# Altium PCB Brake Module R6.PcbDoc (part 1 of 2)
Units mm, origin at the board's own origin, x right, y up, seen from the top; angles counter-clockwise.
Board outline 73.35 x 121.64 mm, 4 copper layers (Top Layer, GND, PWR, Bottom Layer), stack 0.603 mm thick; 136 components, 96 nets, 515 pads, 328 vias.
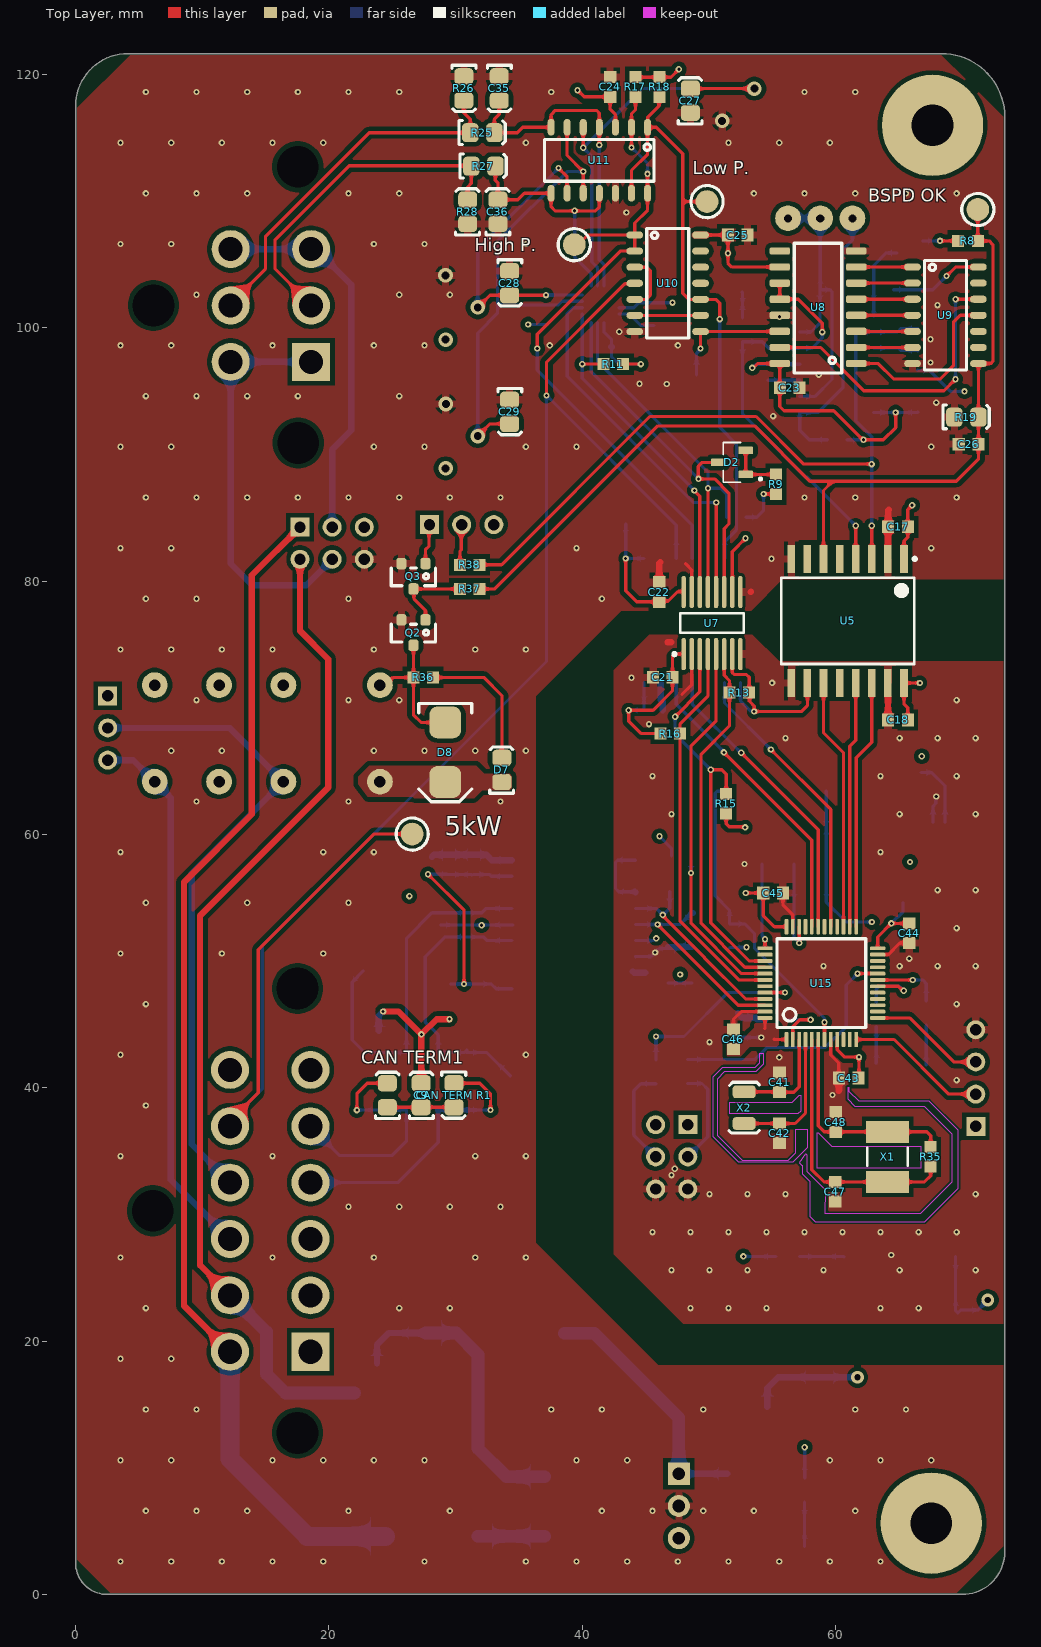
[diagram p0: Top Layer view]
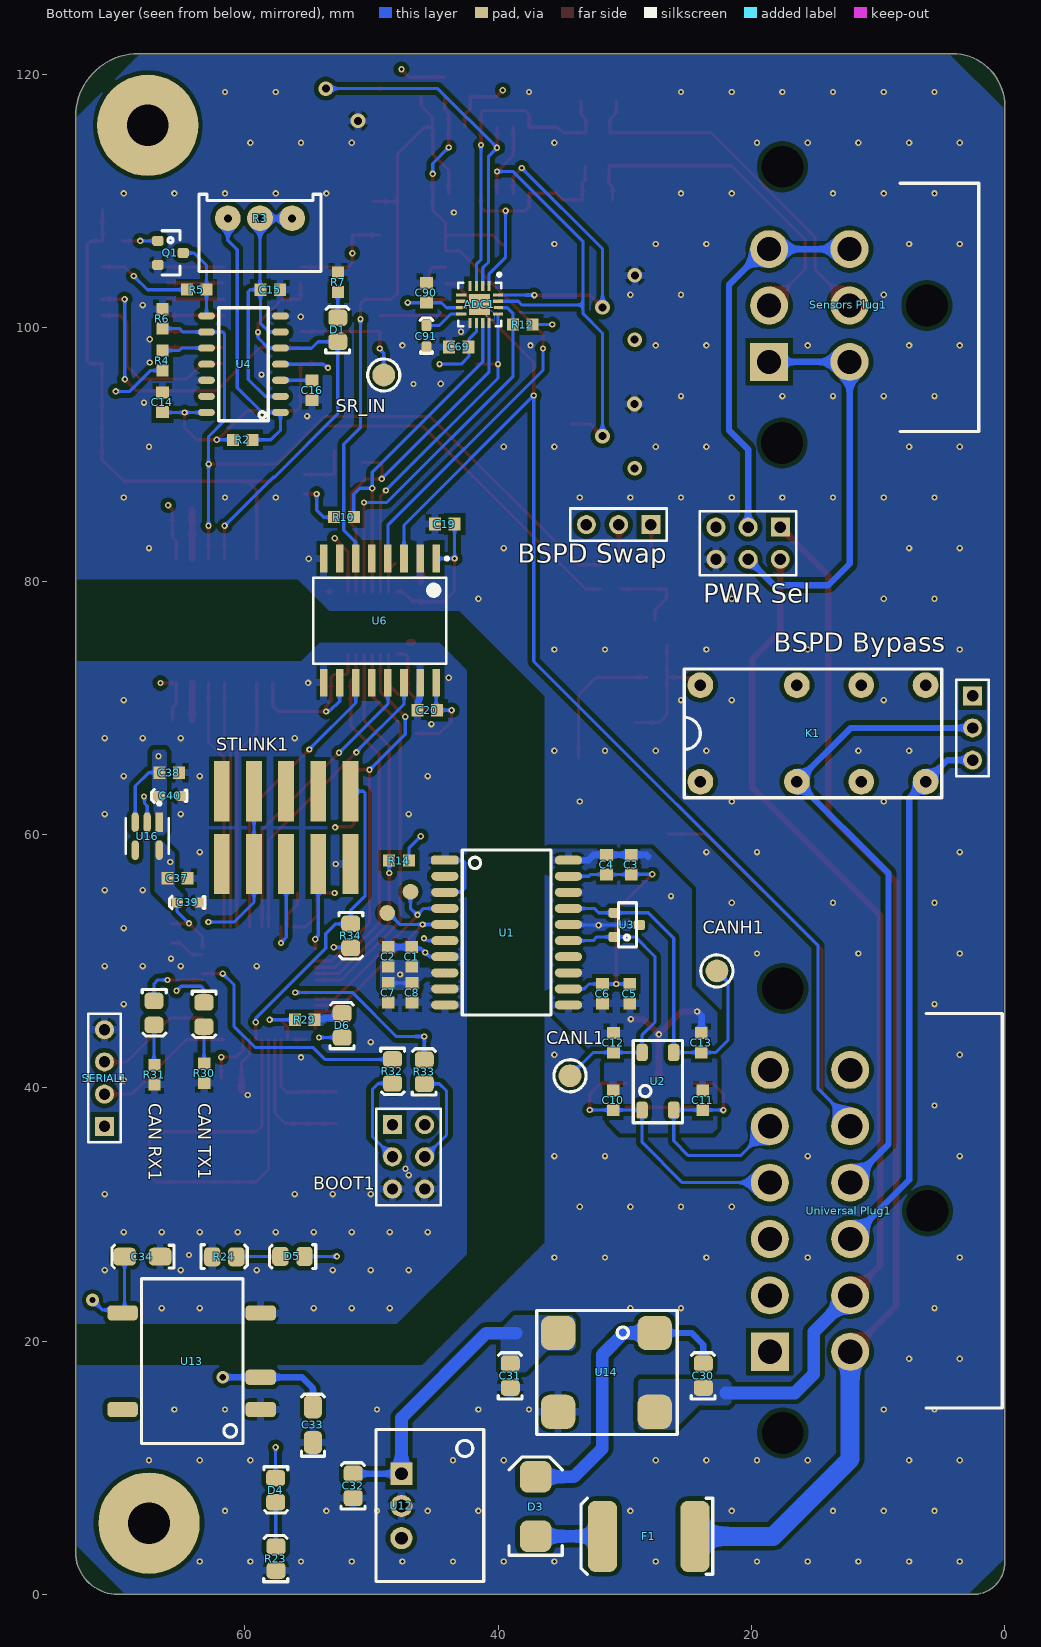
[diagram p1: Bottom Layer view, seen from below]
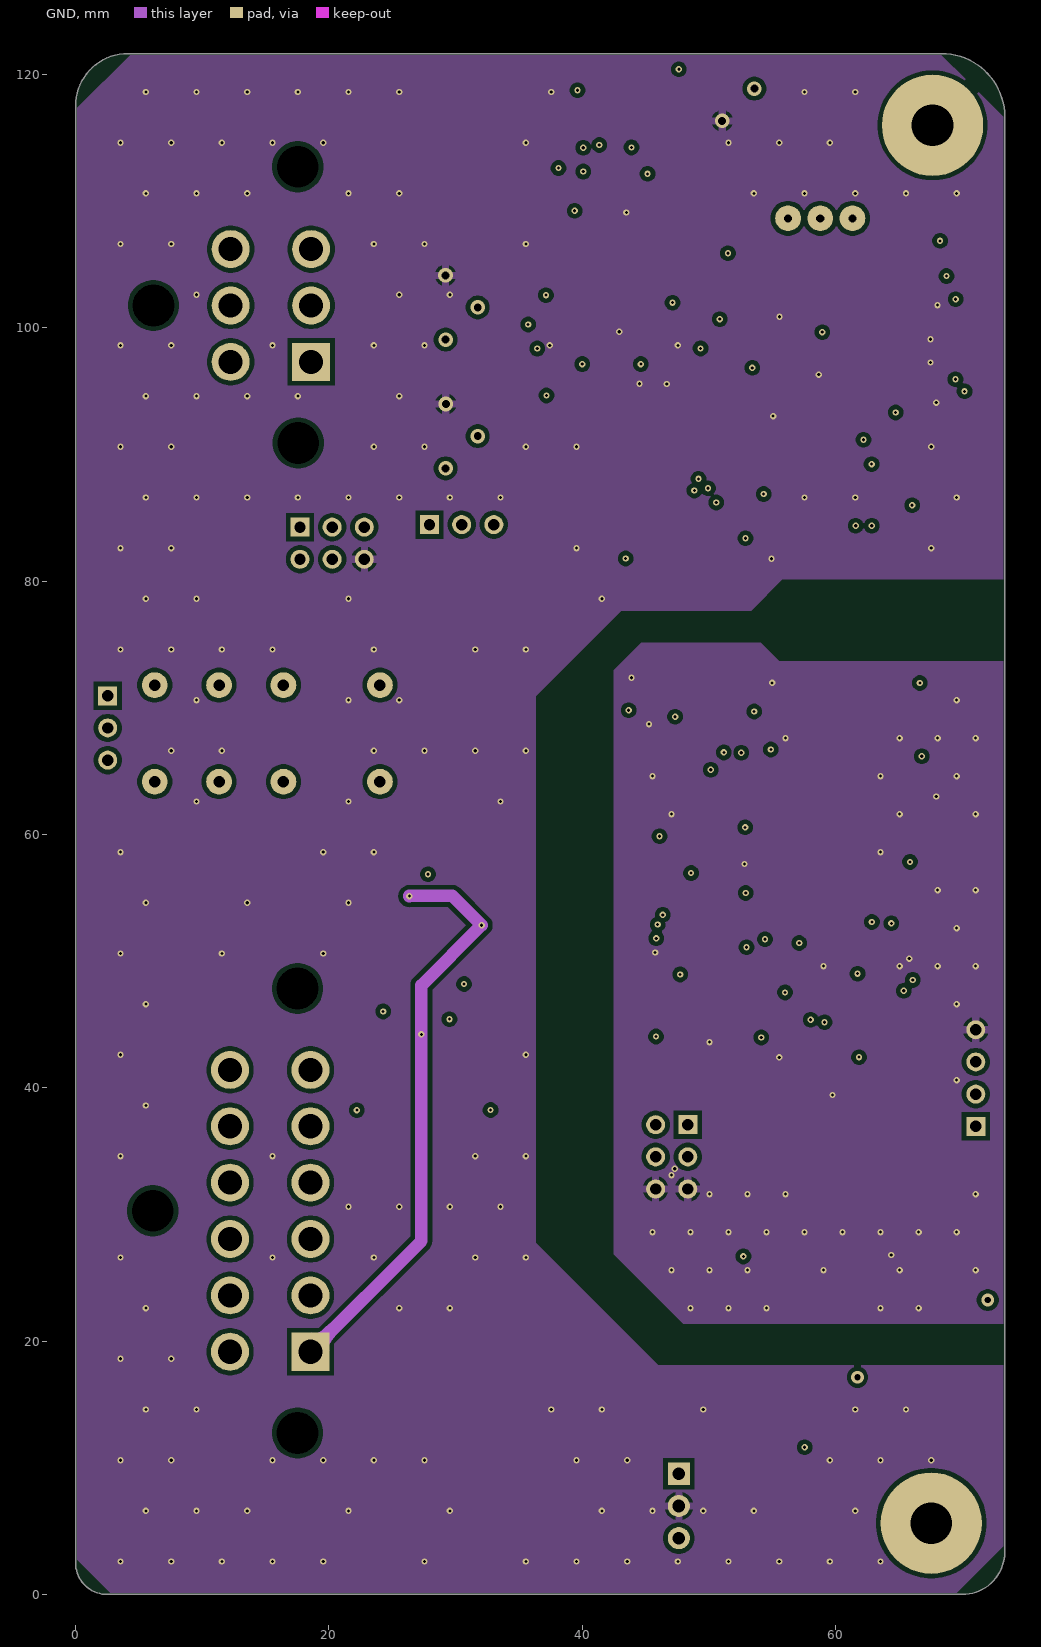
[diagram p2: GND]
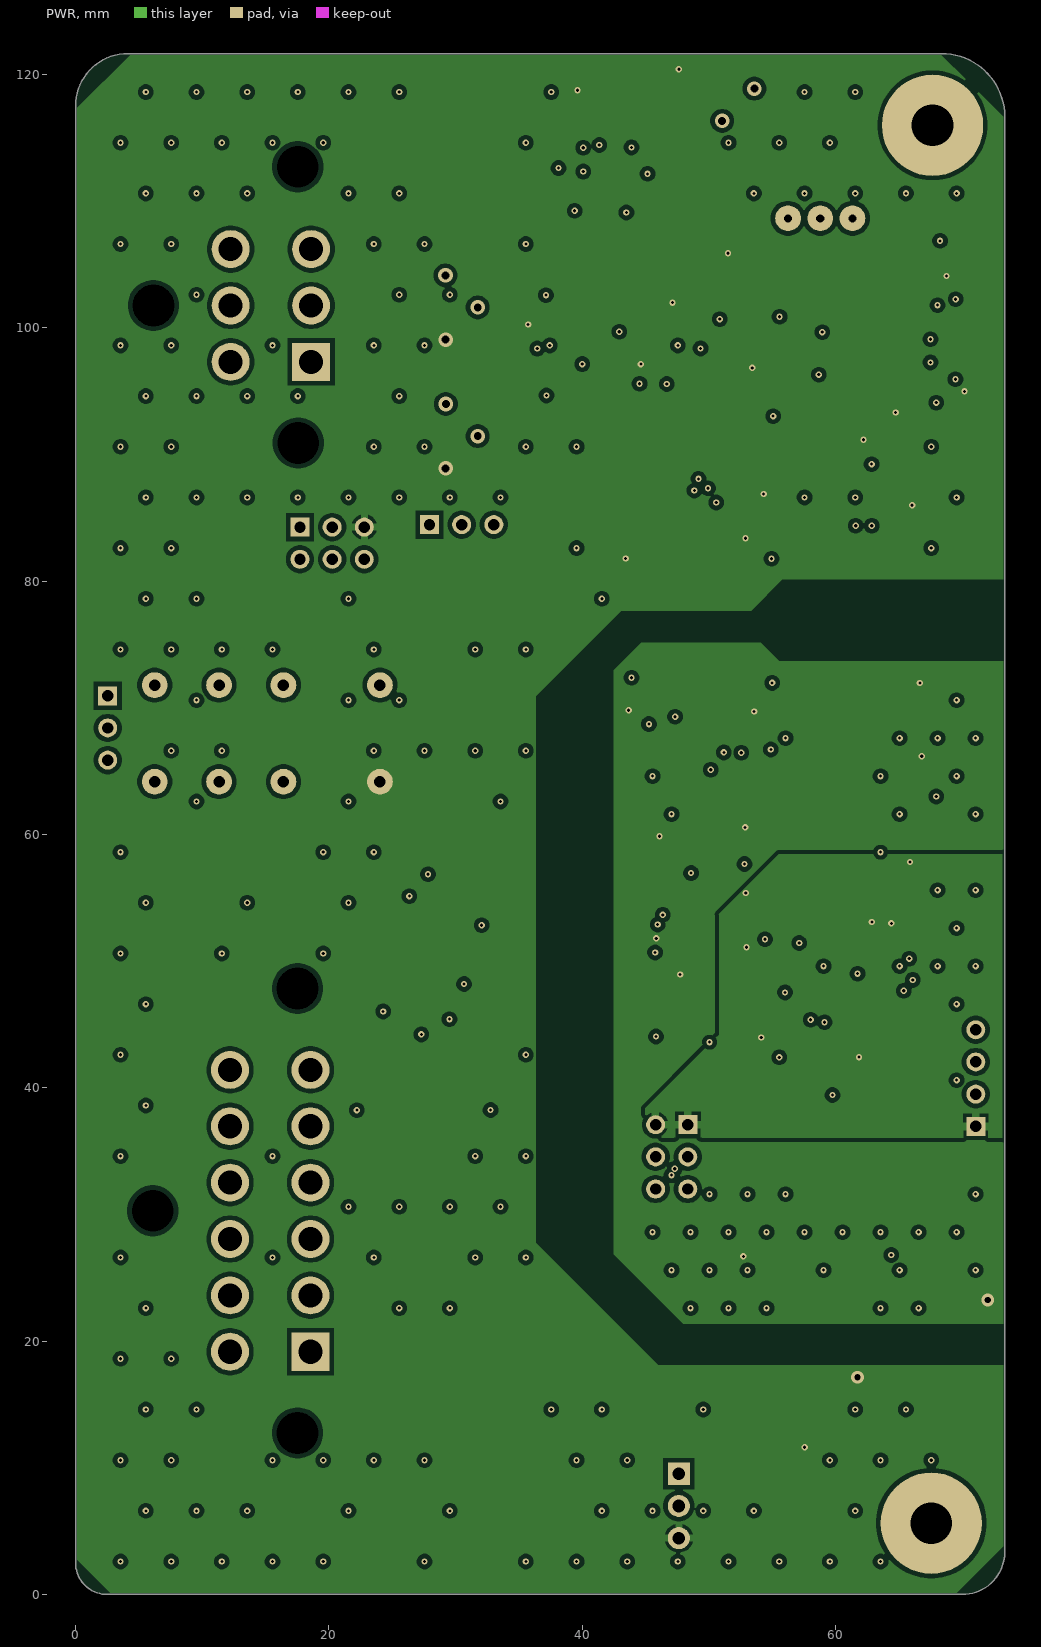
[diagram p3: PWR]

## Layer stack, top to bottom
Top Solder: solder mask 0.0102, Solder Resist, Dk 3.5
Top Layer: signal copper 0.0356
Dielectric 2: prepreg 0.0711, PP-006, Dk 4.1
GND: signal copper 0.035
Dielectric 1: dielectric 0.32, FR-4, Dk 4.8
PWR: signal copper 0.035
Dielectric 3: prepreg 0.0711, PP-006, Dk 4.1
Bottom Layer: signal copper 0.0356
Bottom Solder: solder mask 0.0102, Solder Resist, Dk 3.5

## Board outline
0,2.5 ccw(c2.5,2.5) 2.5,0 70,0 ccw(c70,3.35) 73.35,3.35 73.35,116.65 ccw(c68.36,116.65) 68.36,121.64 4.14,121.64 ccw(c4.14,117.5) 0,117.5

## Design rules (kind name [scope] priority, off if disabled: settings)
Clearance [All] p1: gap=0.254 ignorepadtopadclearanceinfootprint=FALSE except(0: Arc-Hole Track-Hole SMDPad-Hole THPad-Hole Via-Hole Fill-Hole Poly-Hole Region-Hole Text-Hole; 0.1: SMDPad-SMDPad THPad-THPad; 0.152: Arc-SMDPad Track-SMDPad; 0.2: Arc-THPad Track-THPad SMDPad-THPad THPad-Via; 0.203: Arc-Arc Arc-Track Arc-Region Track-Track Track-Region SMDPad-Region THPad-Region Via-Region Fill-Region Poly-Region Region-Region; 0.35: Arc-Poly Track-Poly SMDPad-Poly THPad-Poly Via-Poly Fill-Poly Poly-Poly)
Height [All] p1: minheight=0 maxheight=50 prefheight=12.7
HoleSize [All] p1: absolutevalues=TRUE maxlimit=10 minlimit=0.025 maxpercent=80.000 minpercent=20.000
PlaneClearance [All] p1: clearance=0.4
PlaneConnect [All] p1: pad.planeconnectstyle=Relief pad.reliefexpansion=0.508 pad.reliefentries=4 pad.reliefconductorwidth=0.8 pad.reliefairgap=0.254 via.planeconnectstyle=Direct via.reliefexpansion=0.508 via.reliefentries=4 via.reliefconductorwidth=0.8 via.reliefairgap=0.254
PolygonConnect [All] p1: thpad.connectstyle=Relief thpad.reliefconductorwidth=0.6 thpad.reliefentries=4 thpad.polygonreliefangle="90 Angle" thpad.airgapwidth=0.254 smdpad.connectstyle=Relief smdpad.reliefconductorwidth=0.6 smdpad.reliefentries=4 smdpad.polygonreliefangle="90 Angle" smdpad.airgapwidth=0.254 via.connectstyle=Direct via.reliefconductorwidth=0.6 via.reliefentries=4 via.polygonreliefangle="90 Angle" via.airgapwidth=0.254
RoutingVias [All] p1: holewidth=0.711 width=1.27 viastyle="Through Hole" minholewidth=0.203 minwidth=0.254 maxholewidth=0.711 maxwidth=1.27
SilkToSilkClearance [All] p1: silktosilkclearance=0.1
SilkToSolderMaskClearance [IsPad] p1: minsilkscreentomaskgap=0.1 clearancetoexposedcopper=TRUE
SolderMaskExpansion [All] p1: expansion=0.051 istentingtop=FALSE
Width [All] p1: maxlimit=3 minlimit=0.127 preferedwidth=0.5
24 further rules are at their usual default settings.

## Classes and differential pairs
component class "U_Safety Loops": "BSPD Bypass" "BSPD Swap" D7 D8 K1 Q2 Q3 R36 R37 R38
component class "U_Power Supply": C30 C31 C32 C33 C34 D3 D4 D5 F1 R23 R24 U12 U13 U14
component class U_Microcontroller: BOOT1 C37 C38 C39 C40 C41 C42 C43 C44 C45 C46 C47 C48 "CAN RX1" "CAN TX1" D6 R29 R30 R31 R32 R33 R34 R35 SERIAL1 STLINK1 U15 U16 X1 X2
component class U_CAN: C1 C2 C3 C4 C5 C6 C7 C8 C9 C10 C11 C12 C13 "CAN TERM1" "CAN TERM R1" CANH1 CANL1 U1 U2 U3
component class U_BSPD: 5kW ADC1 BSPD "BSPD OK" C14 C15 C16 C17 C18 C19 C20 C21 C22 C23 C24 C25 C26 C27 C28 C29 C69 C90 C91 Clock D1 D2 "High P" "High P." "Low P" "Low P." P5 Q1 R2 R3 R4 R5 R6 R7 R8 R9 R10 R11 R12 R13 R14 R15 R16 R17 R18 R19 S1 S2 SR_IN U4 U5 U6 U7 U8 U9 U10 U11
component class "Top Level": "PWR Sel" "Sensors Plug1" "Universal Plug1"
component class "Input Filter": C35 C36 R25 R26 R27 R28

## Components (designator, comment, footprint, x,y, rotation, side; value= is the part's Value field where it differs from the comment)
5kW "0mm" "SMD Test Point" 26.575,60.025 r90 top
ADC1 "ADS7028IRTER" WFQN-16 41.457,101.831 r270 bottom
BOOT1 "2.54mm" "TH 2.54mm Header 2x3" 48.331,37.084 r270 bottom
"BSPD Bypass" "2.54mm" "TH 2.54mm Header 1x3" 2.54,70.942 r270 bottom
"BSPD OK" "0mm" "SMD Test Point" 71.225,109.325 r90 top
"BSPD Swap" "2.54mm" "TH 2.54mm Header 1x3" 27.94,84.455 r0 bottom
C1 "10nF" C0603 46.797,50.33 r270 bottom
C2 "100nF" C0603 48.666,50.33 r270 bottom
C3 "100nF" C0603 29.494,57.616 r270 bottom
C4 "10nF" C0603 31.432,57.615 r270 bottom
C5 "10uF" C0603 29.589,47.413 r90 bottom
C6 "100nF" C0603 31.748,47.413 r90 bottom
C7 "10nF" C0603 48.656,47.494 r90 bottom
C8 "100nF" C0603 46.787,47.494 r90 bottom
C9 "22pF" 0805#1 27.312,39.417 r90 top
C10 "100pF" C0603 30.912,39.014 r270 bottom
C11 "100pF" C0603 23.851,39.01 r270 bottom
C12 "100pF" C0603 30.886,43.56 r270 bottom
C13 "100pF" C0603 23.952,43.56 r270 bottom
C14 "100nF" C0603 66.492,94.105 r270 bottom
C15 "10uF" C0603 57.983,102.997 r0 bottom
C16 "10pF" C0603 54.681,95.073 r90 bottom
C17 "100nF" C0603 64.925,84.275 r0 top
C18 "100nF" C0603 64.925,69.035 r0 top
C19 "100nF" C0603 44.2,84.5 r180 bottom
C20 "100nF" C0603 45.575,69.8 r180 bottom
C21 "100nF" C0603 46.35,72.4 r0 top
C22 "100nF" C0603 46.075,79.133 r270 top
C23 "100nF" C0603 56.37,95.25 r180 top
C24 "100nF" C0603 42.2,119 r270 top
C25 "100nF" C0603 52.268,107.315 r180 top
C26 "100nF" C0603 70.495,90.805 r0 top
C27 "100nF" 0805#2 48.51,117.932 r90 top
C28 "100nF" 0805#2 34.29,103.505 r270 top
C29 "100nF" 0805#2 34.29,93.345 r270 top
C30 "10uF" 0805#2 23.82,17.287 r90 bottom
C31 "10uF" 0805#2 39.06,17.287 r90 bottom
C32 "10uF" 0805#2 51.461,8.587 r90 bottom
C33 "22uF" 1206 54.61,14.605 r90 bottom
C34 "22uF" 1206 69.275,26.67 r0 bottom
C35 "100nF" 0805#2 33.472,118.872 r270 top
C36 "100nF" 0805#2 33.319,109.161 r90 top
C37 "100nF" C0603 65.305,56.529 r0 bottom
C38 "100nF" C0603 65.966,64.879 r0 bottom
C39 "1uF" 0603 63.63,54.624 r0 bottom
C40 "1uF" 0603 65.041,63.042 r0 bottom
C41 "22pF" C0603 55.575,40.425 r270 top
C42 "22pF" C0603 55.575,36.4 r90 top
C43 "100nF" C0603 61.031,40.767 r0 top
C44 "100nF" C0603 65.809,52.197 r90 top
C45 "100nF" C0603 55.062,55.372 r180 top
C46 "100nF" C0603 51.935,43.815 r270 top
C47 "22pF" C0603 59.963,31.794 r90 top
C48 "22pF" C0603 60.015,37.294 r270 top
C69 "100nF" C0603 43.1,98.475 r180 bottom
C90 "100nF" C0603 45.65,102.75 r270 bottom
C91 "1uF" 0603 45.65,98.475 r90 bottom
"CAN RX1" "Blue" "0805 LED" 67.127,45.895 r270 bottom
"CAN TERM1" "56R" 0805#1 24.638,39.417 r90 top
"CAN TERM R1" "56R" 0805#1 29.845,39.393 r270 top
"CAN TX1" "Blue" "0805 LED" 63.19,45.768 r270 bottom
CANH1 "0mm" "SMD Test Point" 22.725,49.225 r90 bottom
CANL1 "0mm" "SMD Test Point" 34.315,40.945 r90 bottom
D1 "Yellow" "0805 LED" 52.675,99.85 r90 bottom
D2 "BAV70" BAV70-Footprint-1 51.816,89.365 r180 top
D3 "SD560BTR" "SMB Diode" 37.028,4.841 r90 bottom
D4 "Red" "0805 LED" 57.53,8.228 r270 bottom
D5 "Red" "0805 LED" 56.238,26.659 r0 bottom
D6 "Red" "0805 LED" 52.324,44.933 r90 bottom
D7 "Green" "0805 LED" 33.63,65.097 r90 top
D8 "SD560BTR" "SMB Diode" 29.185,68.585 r270 top
F1 "0ZCF0100AF2A" 2920 24.455,4.587 r0 bottom
"High P." "0mm" "SMD Test Point" 39.37,106.553 r90 top
K1 "V23105A5475A201" "TI 2-DIL" 15.138,67.97 r180 bottom
"Low P." "0mm" "SMD Test Point" 49.85,109.95 r90 top
"PWR Sel" "2.54mm" "TH 2.54mm Header 2x3" 17.716,84.257 r0 bottom (schematic designator "PWR SEL")
Q1 "BSS308PEH6327XTSA1" "IN SOT-23 MOSFET" 65.857,105.903 r270 bottom
Q2 "2N7002K" "ON SOT-23 MOSFET" 26.67,75.93 r180 top
Q3 "2N7002K" "ON SOT-23 MOSFET" 26.67,80.375 r180 top
R2 "10K" R0603 60.142,91.15 r0 bottom
R3 "10K (Var)" "B 3296" 58.875,108.075 r0 bottom
R4 "1.2k" R0603 66.492,97.409 r270 bottom
R5 "1.2k" R0603 63.784,102.997 r0 bottom
R6 "10K" R0603 66.492,100.713 r270 bottom
R7 "1.2k" R0603 52.625,103.575 r270 bottom
R8 "680R" R0603 70.45,106.85 r180 top
R9 "1.2k" R0603 55.295,87.64 r270 top
R10 "1.2k" R0603 52.159,85.039 r0 bottom
R11 "1.2k" R0603 42.45,97.125 r0 top
R12 "1.2k" R0603 38.038,100.25 r180 bottom
R13 "1.2k" R0603 52.4,71.196 r0 top
R14 "1.2k" R0603 47.815,57.937 r180 bottom
R15 "1.2k" R0603 51.359,62.408 r270 top
R16 "1.2k" R0603 46.95,67.95 r180 top
R17 "1.2k" R0603 44.2,119 r90 top
R18 "1.2k" R0603 46.1,119 r90 top
R19 "10k" 0805#2 70.332,92.964 r0 top
R23 "680R" 0805#2 57.556,2.845 r90 bottom
R24 "680R" 0805#2 61.595,26.681 r180 bottom
R25 "1k" 0805#2 32.124,115.417 r0 top
R26 "200R" 0805#2 30.678,118.872 r270 top
R27 "1k" 0805#2 32.202,112.776 r0 top
R28 "200R" 0805#2 30.932,109.161 r90 top
R29 "680R" R0603 55.245,45.367 r0 bottom
R30 "680R" R0603 63.19,41.148 r270 bottom
R31 "680R" R0603 67.127,41.021 r270 bottom
R32 "10k" 0805#2 48.305,41.275 r270 bottom
R33 "10k" 0805#2 45.847,41.275 r90 bottom
R34 "10k" 0805#2 51.6,51.975 r270 bottom
R35 "10K" R0603 67.508,34.544 r90 top
R36 "680R" R0603 27.445,72.39 r0 top
R37 "680R" R0603 31.115,79.375 r180 top
R38 "680R" R0603 31.115,81.28 r180 top
"Sensors Plug1" "DT13-6P" DT13-6P 2.147,108.702 r90 bottom
SERIAL1 "2.54mm" "TH 2.54mm Header 1x4" 71.064,36.957 r90 bottom
SR_IN "0mm" "SMD Test Point" 49.022,96.266 r90 bottom
STLINK1 "3020-10-0300-00" 3020-10-0300-00 51.645,60.525 r0 bottom
U1 "ADM3053" "AD SOIC-W 20" 39.319,52.248 r270 bottom
U2 "B82787C0104H002" "TDK 4-PC Pad" 28.629,38.235 r90 bottom value="100µH @ 100kHz"
U3 "NUP2105L" "ON SOT-23" 29.829,52.857 r90 bottom
U4 "NE556DR" "14 SOIC" 60.142,96.901 r90 bottom
U5 "ADuM1400" SOIC16-W 60.95,76.85 r270 top
U6 "ADuM1400" SOIC16-W 49.325,76.875 r270 bottom
U7 "ADUM7441ARQZ-RL7" ADI-RQ-16_M 50.241,76.683 r90 top
U8 "MC74HC595ADR2G" "ON 16-SOIC" 58.735,97.167 r180 top
U9 "CD74HC30M96" "TI 14-SOIC" 63.47,85.737 r270 top
U10 "SN74HC00DR" "TI 14-SOIC" 41.54,88.265 r270 top
U11 "LMV339IDR" "TI 14-SOIC" 26.106,118.417 r180 top
U12 "R-78C5.0-1.0" "RECOM 3-SIP" 47.625,9.525 r270 bottom
U13 "R2S-0505/HP" "RECOM 8-SMD (5 Pin)" 64.135,18.415 r90 bottom
U14 "744272121" "Wurth 4-PC Pad" 35.25,14.419 r180 bottom value="120uH @ 100kHz"
U15 "STM32F103C8T6" "STM 48-LQFP" 58.872,48.26 r0 top
U16 "TLV70033DDCR" FP-DDC0005A-IPC_B 67.691,59.86 r270 bottom
"Universal Plug1" "DT13-12P" DT13-12P 12.196,19.159 r90 bottom
X1 "Value" ECS-80-18-30-JGN-TR 64.101,34.544 r90 top
X2 "32.768kHz" "EPSON 2-SMD" 52.776,38.427 r270 top

## Footprints (in the part's own frame and the unit in brackets; to place one, negate y for a bottom-side part, rotate by r counter-clockwise, add the part's x,y. Pads: shape width x height; smd on the part's side, far side on the other; paste and mask are expansions set on the pad)
"14 SOIC" [mil]
  oval 22x52 smd: 1(-141.46,-116.85) 2(-91.46,-116.85) 3(-41.46,-116.85) 4(8.54,-116.85) 5(58.54,-116.85) 6(108.54,-116.85) 7(158.54,-116.85) 8(158.54,112.87) 9(108.54,112.87) 10(58.54,112.87) 11(8.54,112.87) 12(-41.46,112.87) 13(-91.46,112.87) 14(-141.46,112.87)
  silkscreen extent -167,-79 184,75, body extent -163,-122 181,122, height 69
0603 [mm]
  rrect50% 0.9x0.8 smd: 1(0,0) 2(1.7,0)
  silkscreen extent -0.5,-0.5 2.3,0.5, body extent 0.05,-0.42 1.65,0.43, height 0.6
0805#1 [mm]
  rrect50% 1.3x1.5 smd: 1(-0.962,0.026) 2(0.938,0.026)
  silkscreen extent -1.85,-0.93 1.8,0.95, body extent -1,-0.66 1,0.65, height 0.03
0805#2 [mm]
  rrect50% 1.3x1.5 smd: 1(-0.962,-0.026) 2(0.938,-0.026)
  silkscreen extent -1.85,-0.95 1.8,0.93, body extent -1,-0.65 1,0.66, height 0.73
"0805 LED" [mm]
  rrect50% 1.3x1.5 smd: A(-0.962,-0.026) K(0.938,-0.026)
  silkscreen extent -1.85,-0.95 1.8,0.93, body extent -1.1,-0.62 0.9,0.63, height 1
1206 [mm]
  rrect50% 1.8x1.4 smd: 1(-2.6,0) 2(0.2,0)
  silkscreen extent -3.7,-0.9 1.2,0.9, body extent -2.9,-0.9 0.5,0.9, height 1.85
2920 [mm]
  rrect50% 2.3x5.6 smd: 1(0,0) 2(7.3,0)
  silkscreen extent -1.4,-3 9,3, body extent -0.34,-2.81 7.64,2.81, height 1.14
3020-10-0300-00 [mm] "Header SMD 02x_05 Pins"
  rect 1.25x4.75 smd: 1(0,-2.875) 2(2.54,-2.875) 3(5.08,-2.875) 4(7.62,-2.875) 5(10.16,-2.875) 6(0,2.875) 7(2.54,2.875) 8(5.08,2.875) 9(7.62,2.875) 10(10.16,2.875)
"AD SOIC-W 20" [mil]
  rrect50% 28x85 smd: 1(-225,-192.02)
  oval 28x85 smd: 2(-175,-192.02) 3(-125,-192.02) 4(-75,-192.02) 5(-25,-192.02) 6(25,-192.02) 7(75,-192.02) 8(125,-192.02) 9(175,-192.02) 10(225,-192.02) 11(225,192.02) 12(175,191.98) 13(125,191.98) 14(75,191.98) 15(25,191.98) 16(-25,191.98) 17(-75,191.98) 18(-125,191.98) 19(-175,191.98) 20(-225,191.98)
  silkscreen extent -257,-138 256,138, body extent -260,-210 260,210, height 105
ADI-RQ-16_M [mm] "SOP, 16-Leads, Body 4.9x3.9mm, Pitch 0.64mm, IPC Low Density"
  oval 2.55x0.35 smd: 0V(-2.45,1.6) 1(-2.45,2.24) 3(-2.45,0.96) 4(-2.45,0.32) 5(-2.45,-0.32) 6(-2.45,-0.96) 7(-2.45,-1.6) 8(-2.45,-2.24) 9(2.45,-2.24) 10(2.45,-1.6) 11(2.45,-0.96) 12(2.45,-0.32) 13(2.45,0.32) 14(2.45,0.96) 15(2.45,1.6) 16(2.45,2.24)
  silkscreen extent -2.57,-2.5 0.77,3.09, body extent -2,-2.5 2,2.5, height 1.75
"B 3296" [mil]
  round 80 hole 25.2: 1(-103.39,-22) 2(-3.39,-22) 3(96.61,-22)
  silkscreen extent -193,-97 187,143, body extent -191,-97 184,143, height 455
BAV70-Footprint-1 [mm]
  rrect25% 1.15x0.6 smd: 1(-1.085,0.95) 2(-1.085,-0.95) 3(1.085,0)
  silkscreen extent -2.35,-1.57 0.7,1.57, body extent -1.2,-1.46 1.2,1.46, height 1.2